# EAGLE board working (EAGLE 6.6.0)
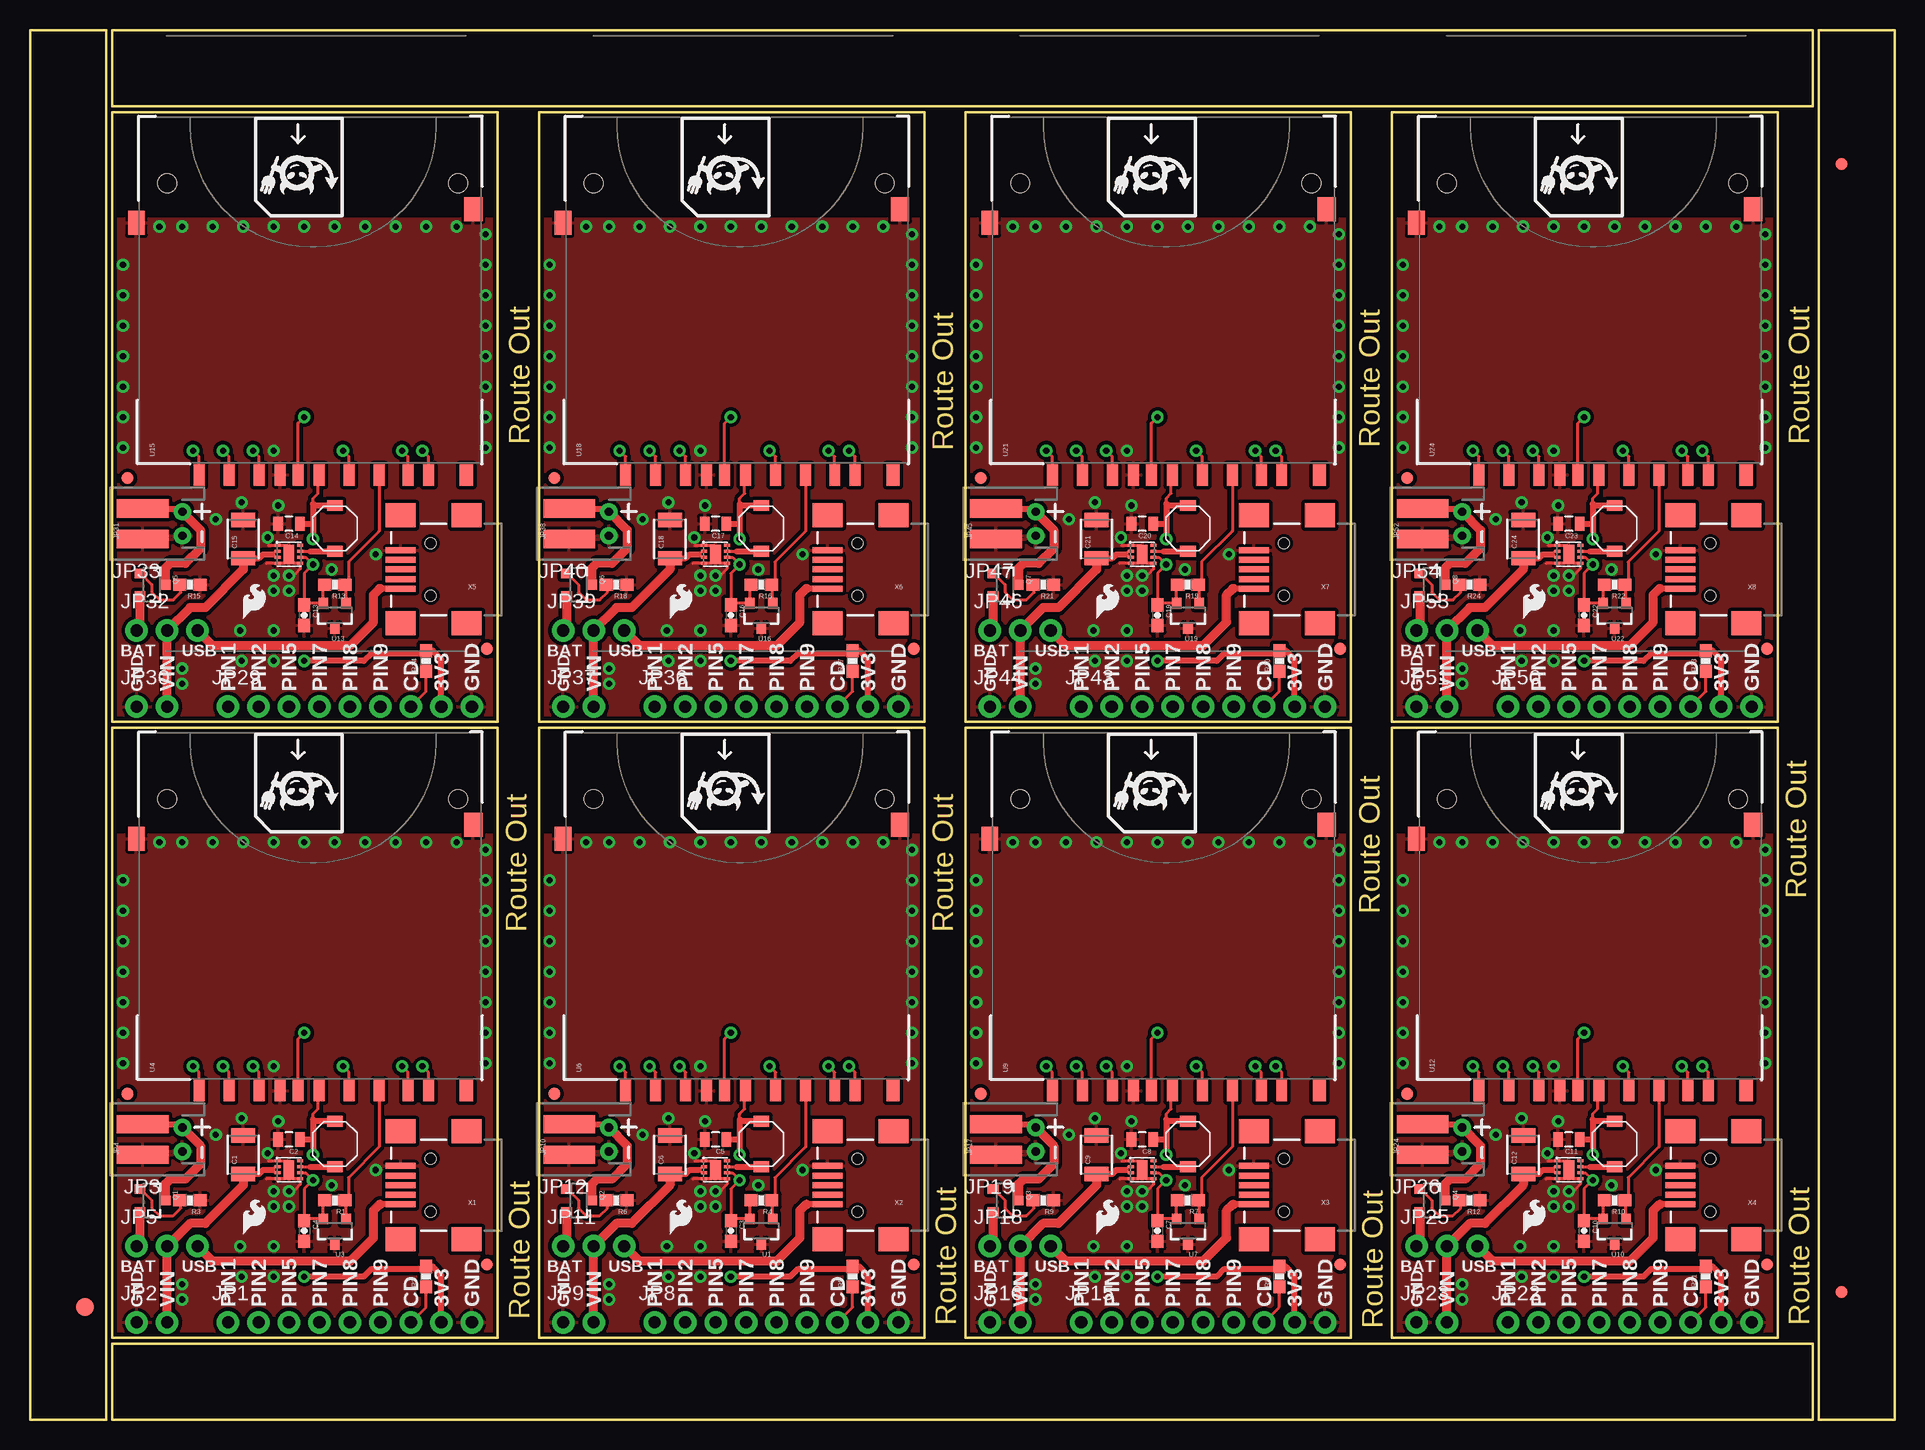
[diagram p0: board, top side]
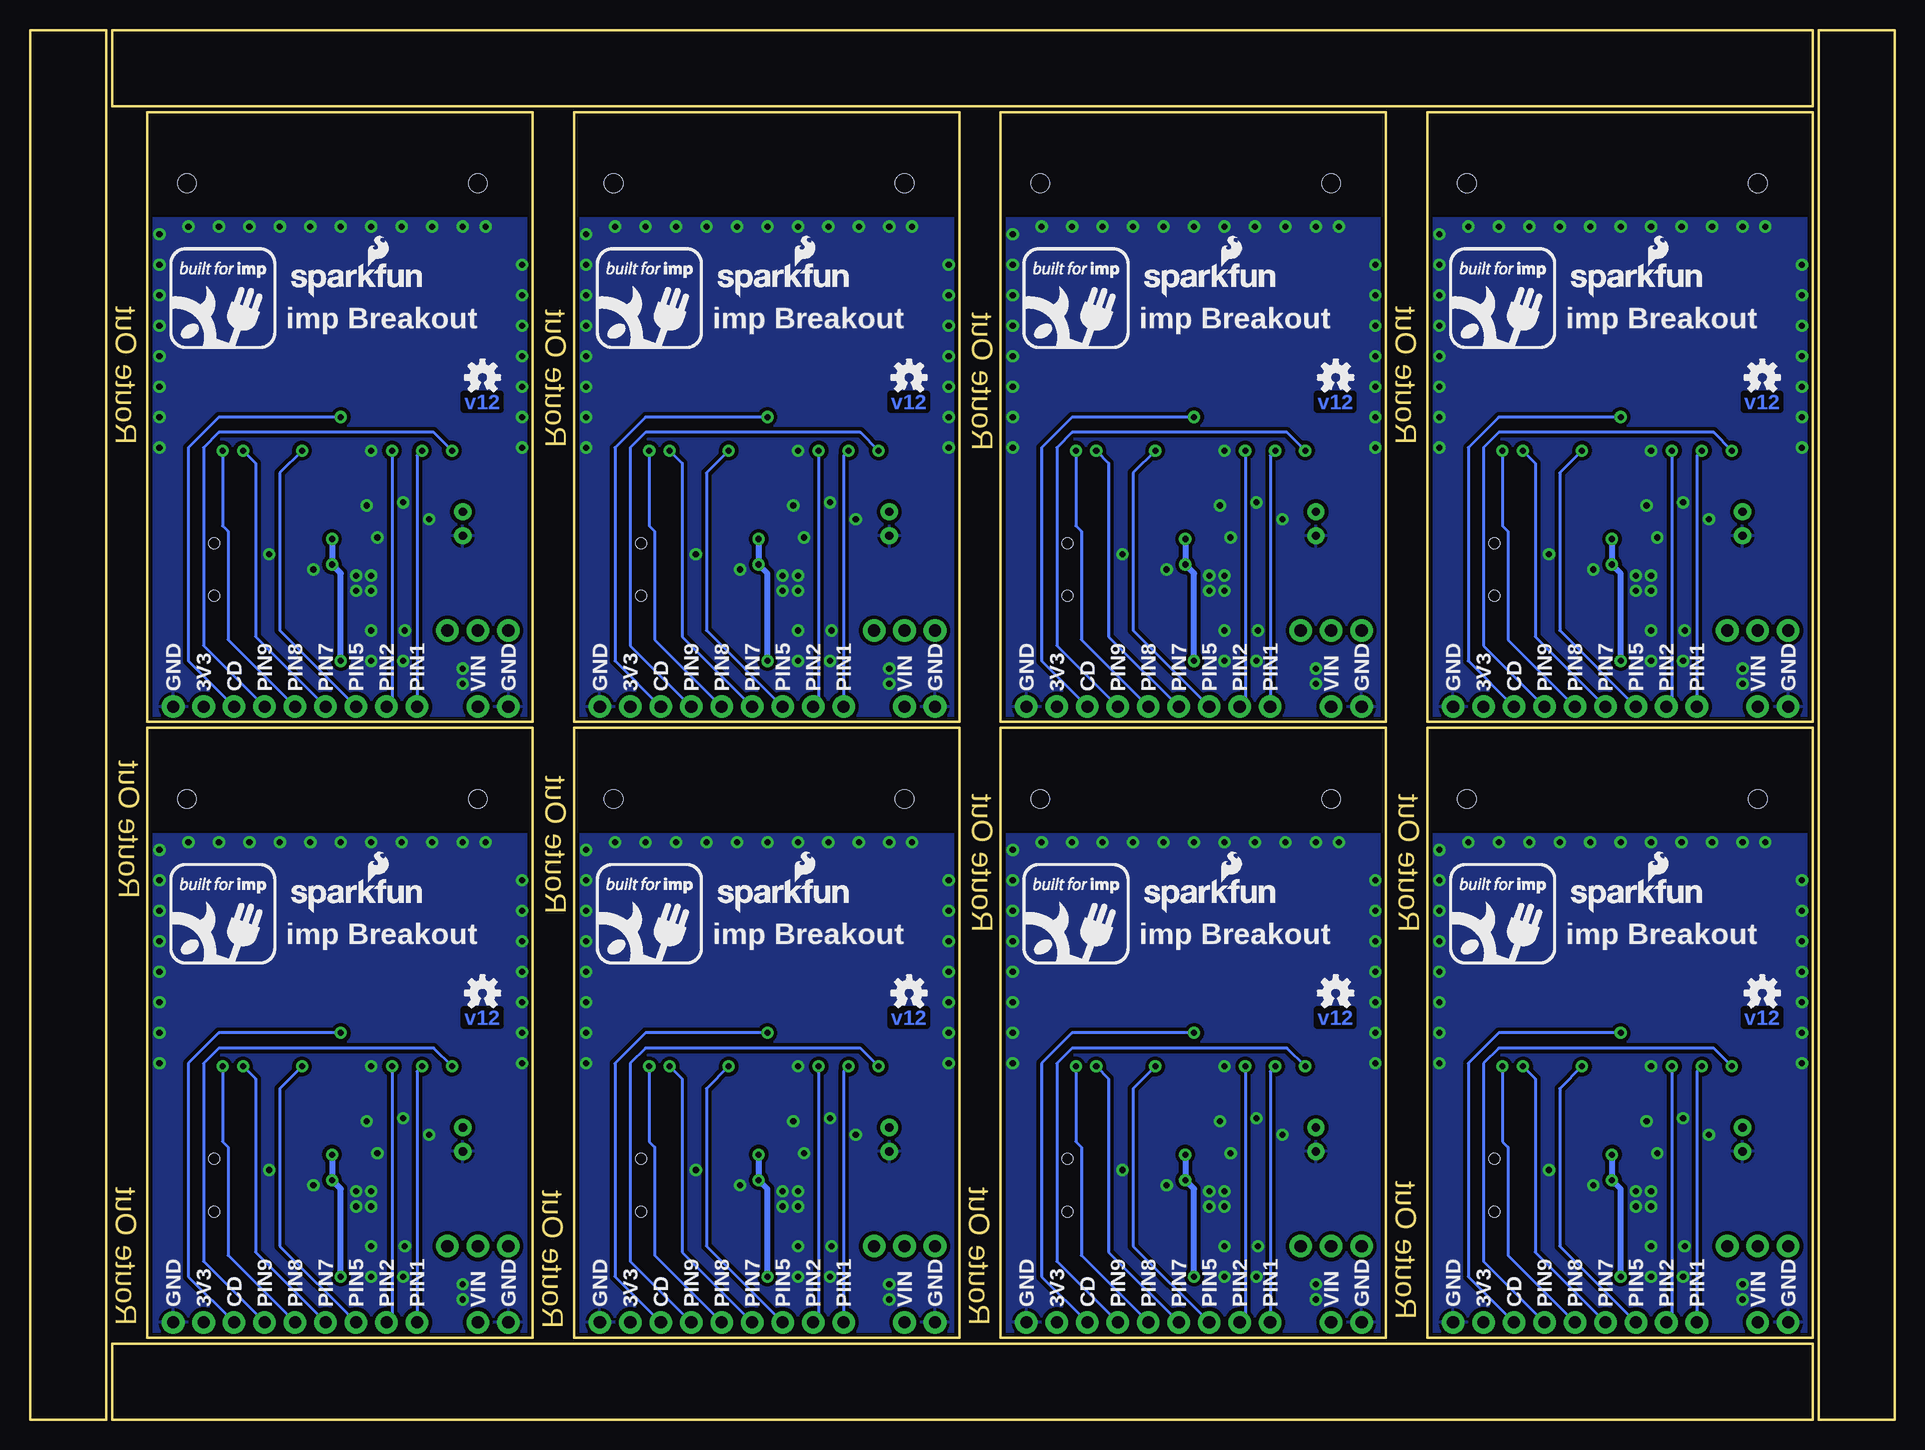
[diagram p1: board, bottom side, seen from below]

Size 155.45 x 115.82 mm. Coordinates in mm from the lower left corner, seen from the top.
Outline: 6.86,6.86 6.86,57.66 38.99,57.66 38.99,6.86 6.86,6.86
Outline: 42.42,6.86 42.42,57.66 74.55,57.66 74.55,6.86 42.42,6.86
Outline: 77.98,6.86 77.98,57.66 110.11,57.66 110.11,6.86 77.98,6.86
Outline: 113.54,6.86 113.54,57.66 145.67,57.66 145.67,6.86 113.54,6.86
Outline: 6.86,58.17 6.86,108.97 38.99,108.97 38.99,58.17 6.86,58.17
Outline: 42.42,58.17 42.42,108.97 74.55,108.97 74.55,58.17 42.42,58.17
Outline: 77.98,58.17 77.98,108.97 110.11,108.97 110.11,58.17 77.98,58.17
Outline: 113.54,58.17 113.54,108.97 145.67,108.97 145.67,58.17 113.54,58.17
Outline: 6.35,0 6.35,115.82 0,115.82 0,0 6.35,0
Outline: 6.86,0 148.59,0 148.59,6.35 6.86,6.35 6.86,0
Outline: 6.86,109.47 148.59,109.47 148.59,115.82 6.86,115.82 6.86,109.47
Outline: 155.45,0 155.45,115.82 149.1,115.82 149.1,0 155.45,0
Copper layers (1*16): Top 0.035mm / dielectric 1.5mm / Bottom 0.035mm
Design rules "SparkFun-2-layer": minimum track width 7mil, minimum drill 15mil, track to track 8mil, track to pad 8mil, pad to pad 8mil, via to via 8mil, smd to smd 8mil, copper to edge 8mil, drill to drill 8mil, minimum pad ring 12mil, minimum via ring 10mil, stop-mask expansion 4mil, vias tented up to drill 20mil, thermal gap 10mil

## Footprints (pad centres in the part's own frame; a part is rotated, then mirrored left to right if it is on the bottom)
1210 = smd 1.2 x 2: 1 -1.6,0; 2 1.6,0
0805 = smd 0.8 x 1.2: 1 -0.9,0; 2 0.9,0
0603-CAP = smd 1.1 x 1: 1 -0.85,0; 2 0.85,0
FIDUCIAL-1.5X3 = smd 1.5 x 1.5: 1 0,0
FIDUCIAL-1X2 = smd 1 x 1: 1 0,0
1X09_NO_SILK = drill 1.016 pad 1.88: 1 0,0; 2 2.54,0; 3 5.08,0; 4 7.62,0; 5 10.16,0; 6 12.7,0; 7 15.24,0; 8 17.78,0; 9 20.32,0
1X02_NO_SILK = drill 1.016 pad 1.88: 1 0,0; 2 2.54,0
1X02_SMD = smd 4.318 x 1.524: 1 0,1.27; 2 0,-1.27
JST-2-PTH-NS = drill 0.7 pad 1.448: 1 -1,0; 2 1,0
1X03_NO_SILK = drill 1.016 pad 1.88: 1 0,0; 2 2.54,0; 3 5.08,0
VLF4012A = smd 0.9 x 1.3: P$1 -1.9,0; P$2 1.9,0
SOT23-3 = smd 0.8 x 0.9: 1 -0.95,-1; 2 0.95,-1; 3 0,1.1
0603-RES = smd 1.1 x 1: 1 -0.85,0; 2 0.85,0
WSON-8-PAD = smd 0.25 x 0.5: 1 -0.75,-0.95; 2 -0.25,-0.95; 3 0.25,-0.95; 4 0.75,-0.95; 5 0.75,0.95; 6 0.25,0.95; 7 -0.25,0.95; 8 -0.75,0.95 | smd 1.6 x 0.9: PAD 0,0
SD_1:1 = smd 1.8 x 0.9: 1 -1,6.77; 2 -1,4.27; 3 -1,2.52; 4 -1,-0.73; 5 -1,-3.23; 6 -1,-5.73; 7 -1,-8.15; 8 -1,-9.85; 9 -1,9.27; CD -1,1.02 | smd 2 x 1.4: SH@1 20,14.496 | smd 2 x 1.527: SH@2 21.15,-13.589 | smd 1.8 x 1.1: WP -1,-13 | hole 1.55: 23.3,11.94; 23.3,-12.32
USB-MINIB = smd 2.5 x 0.5: D+ 2.5,0; D- 2.5,0.8; GND 2.5,-1.6; ID 2.5,-0.8; VBUS 2.5,1.6 | smd 2.5 x 2: MTN1 -3,4.5; MTN2 2.5,4.5; MTN3 -3,-4.5; MTN4 2.5,-4.5 | hole 0.9: 0,2.2; 0,-2.2

## Placement (x,y rotation side)
C1  10uF  [1210]  17.78,22.1 90 top
C2  22uF  [0805]  21.59,23.37 180 top
C3  0.1uF  [0603-CAP]  58.42,15.75 270 top
C4  0.1uF  [0603-CAP]  22.86,15.75 270 top
C5  22uF  [0805]  57.15,23.37 180 top
C6  10uF  [1210]  53.34,22.1 90 top
C7  0.1uF  [0603-CAP]  93.98,15.75 270 top
C8  22uF  [0805]  92.71,23.37 180 top
C9  10uF  [1210]  88.9,22.1 90 top
C10  0.1uF  [0603-CAP]  129.54,15.75 270 top
C11  22uF  [0805]  128.27,23.37 180 top
C12  10uF  [1210]  124.46,22.1 90 top
C13  0.1uF  [0603-CAP]  22.86,67.06 270 top
C14  22uF  [0805]  21.59,74.68 180 top
C15  10uF  [1210]  17.78,73.41 90 top
C16  0.1uF  [0603-CAP]  58.42,67.06 270 top
C17  22uF  [0805]  57.15,74.68 180 top
C18  10uF  [1210]  53.34,73.41 90 top
C19  0.1uF  [0603-CAP]  93.98,67.06 270 top
C20  22uF  [0805]  92.71,74.68 180 top
C21  10uF  [1210]  88.9,73.41 90 top
C22  0.1uF  [0603-CAP]  129.54,67.06 270 top
C23  22uF  [0805]  128.27,74.68 180 top
C24  10uF  [1210]  124.46,73.41 90 top
E$1  [FIDUCIAL-1.5X3]  4.57,9.4 0 top
E$5  [FIDUCIAL-1X2]  151,10.67 0 top
E$6  [FIDUCIAL-1X2]  151,104.65 180 top
FID1  FIDUCIAL1X2  [FIDUCIAL-1X2]  8.13,27.18 0 top
FID2  FIDUCIAL1X2  [FIDUCIAL-1X2]  38.1,12.95 0 top
FID3  FIDUCIAL1X2  [FIDUCIAL-1X2]  43.69,27.18 0 top
FID4  FIDUCIAL1X2  [FIDUCIAL-1X2]  73.66,12.95 0 top
FID5  FIDUCIAL1X2  [FIDUCIAL-1X2]  79.25,27.18 0 top
FID6  FIDUCIAL1X2  [FIDUCIAL-1X2]  109.22,12.95 0 top
FID7  FIDUCIAL1X2  [FIDUCIAL-1X2]  114.81,27.18 0 top
FID8  FIDUCIAL1X2  [FIDUCIAL-1X2]  144.78,12.95 0 top
FID9  FIDUCIAL1X2  [FIDUCIAL-1X2]  8.13,78.49 0 top
FID10  FIDUCIAL1X2  [FIDUCIAL-1X2]  38.1,64.26 0 top
FID11  FIDUCIAL1X2  [FIDUCIAL-1X2]  43.69,78.49 0 top
FID12  FIDUCIAL1X2  [FIDUCIAL-1X2]  73.66,64.26 0 top
FID13  FIDUCIAL1X2  [FIDUCIAL-1X2]  79.25,78.49 0 top
FID14  FIDUCIAL1X2  [FIDUCIAL-1X2]  109.22,64.26 0 top
FID15  FIDUCIAL1X2  [FIDUCIAL-1X2]  114.81,78.49 0 top
FID16  FIDUCIAL1X2  [FIDUCIAL-1X2]  144.78,64.26 0 top
JP1  M09NO_SILK  [1X09_NO_SILK]  16.51,8.13 0 top
JP2  [1X02_NO_SILK]  8.89,8.13 0 top
JP3  [1X02_SMD]  9.4,23.37 180 top
JP4  [JST-2-PTH-NS]  12.7,23.37 90 top
JP5  [1X03_NO_SILK]  8.89,14.48 0 top
JP6  LOGO-SFESK  [SFE-LOGO-FLAME]  17.78,15.49 0 top
JP7  SFE_LOGO_NAME_FLAME.1_INCH  [SFE_LOGO_NAME_FLAME_.1]  27.43,42.16 0 bottom
JP8  M09NO_SILK  [1X09_NO_SILK]  52.07,8.13 0 top
JP9  [1X02_NO_SILK]  44.45,8.13 0 top
JP10  [JST-2-PTH-NS]  48.26,23.37 90 top
JP11  [1X03_NO_SILK]  44.45,14.48 0 top
JP12  [1X02_SMD]  44.96,23.37 180 top
JP13  LOGO-SFESK  [SFE-LOGO-FLAME]  53.34,15.49 0 top
JP14  SFE_LOGO_NAME_FLAME.1_INCH  [SFE_LOGO_NAME_FLAME_.1]  62.99,42.16 0 bottom
JP15  M09NO_SILK  [1X09_NO_SILK]  87.63,8.13 0 top
JP16  [1X02_NO_SILK]  80.01,8.13 0 top
JP17  [JST-2-PTH-NS]  83.82,23.37 90 top
JP18  [1X03_NO_SILK]  80.01,14.48 0 top
JP19  [1X02_SMD]  80.52,23.37 180 top
JP20  LOGO-SFESK  [SFE-LOGO-FLAME]  88.9,15.49 0 top
JP21  SFE_LOGO_NAME_FLAME.1_INCH  [SFE_LOGO_NAME_FLAME_.1]  98.55,42.16 0 bottom
JP22  M09NO_SILK  [1X09_NO_SILK]  123.19,8.13 0 top
JP23  [1X02_NO_SILK]  115.57,8.13 0 top
JP24  [JST-2-PTH-NS]  119.38,23.37 90 top
JP25  [1X03_NO_SILK]  115.57,14.48 0 top
JP26  [1X02_SMD]  116.08,23.37 180 top
JP27  LOGO-SFESK  [SFE-LOGO-FLAME]  124.46,15.49 0 top
JP28  SFE_LOGO_NAME_FLAME.1_INCH  [SFE_LOGO_NAME_FLAME_.1]  134.11,42.16 0 bottom
JP29  M09NO_SILK  [1X09_NO_SILK]  16.51,59.44 0 top
JP30  [1X02_NO_SILK]  8.89,59.44 0 top
JP31  [JST-2-PTH-NS]  12.7,74.68 90 top
JP32  [1X03_NO_SILK]  8.89,65.79 0 top
JP33  [1X02_SMD]  9.4,74.68 180 top
JP34  LOGO-SFESK  [SFE-LOGO-FLAME]  17.78,66.8 0 top
JP35  SFE_LOGO_NAME_FLAME.1_INCH  [SFE_LOGO_NAME_FLAME_.1]  27.43,93.47 0 bottom
JP36  M09NO_SILK  [1X09_NO_SILK]  52.07,59.44 0 top
JP37  [1X02_NO_SILK]  44.45,59.44 0 top
JP38  [JST-2-PTH-NS]  48.26,74.68 90 top
JP39  [1X03_NO_SILK]  44.45,65.79 0 top
JP40  [1X02_SMD]  44.96,74.68 180 top
JP41  LOGO-SFESK  [SFE-LOGO-FLAME]  53.34,66.8 0 top
JP42  SFE_LOGO_NAME_FLAME.1_INCH  [SFE_LOGO_NAME_FLAME_.1]  62.99,93.47 0 bottom
JP43  M09NO_SILK  [1X09_NO_SILK]  87.63,59.44 0 top
JP44  [1X02_NO_SILK]  80.01,59.44 0 top
JP45  [JST-2-PTH-NS]  83.82,74.68 90 top
JP46  [1X03_NO_SILK]  80.01,65.79 0 top
JP47  [1X02_SMD]  80.52,74.68 180 top
JP48  LOGO-SFESK  [SFE-LOGO-FLAME]  88.9,66.8 0 top
JP49  SFE_LOGO_NAME_FLAME.1_INCH  [SFE_LOGO_NAME_FLAME_.1]  98.55,93.47 0 bottom
JP50  M09NO_SILK  [1X09_NO_SILK]  123.19,59.44 0 top
JP51  [1X02_NO_SILK]  115.57,59.44 0 top
JP52  [JST-2-PTH-NS]  119.38,74.68 90 top
JP53  [1X03_NO_SILK]  115.57,65.79 0 top
JP54  [1X02_SMD]  116.08,74.68 180 top
JP55  LOGO-SFESK  [SFE-LOGO-FLAME]  124.46,66.8 0 top
JP56  SFE_LOGO_NAME_FLAME.1_INCH  [SFE_LOGO_NAME_FLAME_.1]  134.11,93.47 0 bottom
L1  2.2uH  [VLF4012A]  25.4,22.99 90 top
L2  2.2uH  [VLF4012A]  60.96,22.99 90 top
L3  2.2uH  [VLF4012A]  96.52,22.99 90 top
L4  2.2uH  [VLF4012A]  132.08,22.99 90 top
L5  2.2uH  [VLF4012A]  25.4,74.3 90 top
L6  2.2uH  [VLF4012A]  60.96,74.3 90 top
L7  2.2uH  [VLF4012A]  96.52,74.3 90 top
L8  2.2uH  [VLF4012A]  132.08,74.3 90 top
Q1  DMG2307L-7  [SOT23-3]  10.16,18.29 270 top
Q2  DMG2307L-7  [SOT23-3]  45.72,18.29 270 top
Q3  DMG2307L-7  [SOT23-3]  81.28,18.29 270 top
Q4  DMG2307L-7  [SOT23-3]  116.84,18.29 270 top
Q5  DMG2307L-7  [SOT23-3]  10.16,69.6 270 top
Q6  DMG2307L-7  [SOT23-3]  45.72,69.6 270 top
Q7  DMG2307L-7  [SOT23-3]  81.28,69.6 270 top
Q8  DMG2307L-7  [SOT23-3]  116.84,69.6 270 top
R1  100k  [0603-RES]  25.4,18.29 180 top
R2  dnp  [0603-RES]  33.02,11.94 90 top
R3  100k  [0603-RES]  13.34,18.29 180 top
R4  100k  [0603-RES]  60.96,18.29 180 top
R5  dnp  [0603-RES]  68.58,11.94 90 top
R6  100k  [0603-RES]  48.9,18.29 180 top
R7  100k  [0603-RES]  96.52,18.29 180 top
R8  dnp  [0603-RES]  104.14,11.94 90 top
R9  100k  [0603-RES]  84.45,18.29 180 top
R10  100k  [0603-RES]  132.08,18.29 180 top
R11  dnp  [0603-RES]  139.7,11.94 90 top
R12  100k  [0603-RES]  120.02,18.29 180 top
R13  100k  [0603-RES]  25.4,69.6 180 top
R14  dnp  [0603-RES]  33.02,63.25 90 top
R15  100k  [0603-RES]  13.34,69.6 180 top
R16  100k  [0603-RES]  60.96,69.6 180 top
R17  dnp  [0603-RES]  68.58,63.25 90 top
R18  100k  [0603-RES]  48.9,69.6 180 top
R19  100k  [0603-RES]  96.52,69.6 180 top
R20  dnp  [0603-RES]  104.14,63.25 90 top
R21  100k  [0603-RES]  84.45,69.6 180 top
R22  100k  [0603-RES]  132.08,69.6 180 top
R23  dnp  [0603-RES]  139.7,63.25 90 top
R24  100k  [0603-RES]  120.02,69.6 180 top
U1  ATSHA204-TSU  [SOT23-3]  60.96,15.75 180 top
U2  TPS62172  [WSON-8-PAD]  21.59,20.83 270 top
U3  ATSHA204-TSU  [SOT23-3]  25.4,15.75 180 top
U4  ELECTRIC_IMP  [SD_1:1]  23.37,28.45 90 top
U5  TPS62172  [WSON-8-PAD]  57.15,20.83 270 top
U6  ELECTRIC_IMP  [SD_1:1]  58.93,28.45 90 top
U7  ATSHA204-TSU  [SOT23-3]  96.52,15.75 180 top
U8  TPS62172  [WSON-8-PAD]  92.71,20.83 270 top
U9  ELECTRIC_IMP  [SD_1:1]  94.49,28.45 90 top
U10  ATSHA204-TSU  [SOT23-3]  132.08,15.75 180 top
U11  TPS62172  [WSON-8-PAD]  128.27,20.83 270 top
U12  ELECTRIC_IMP  [SD_1:1]  130.05,28.45 90 top
U13  ATSHA204-TSU  [SOT23-3]  25.4,67.06 180 top
U14  TPS62172  [WSON-8-PAD]  21.59,72.14 270 top
U15  ELECTRIC_IMP  [SD_1:1]  23.37,79.76 90 top
U16  ATSHA204-TSU  [SOT23-3]  60.96,67.06 180 top
U17  TPS62172  [WSON-8-PAD]  57.15,72.14 270 top
U18  ELECTRIC_IMP  [SD_1:1]  58.93,79.76 90 top
U19  ATSHA204-TSU  [SOT23-3]  96.52,67.06 180 top
U20  TPS62172  [WSON-8-PAD]  92.71,72.14 270 top
U21  ELECTRIC_IMP  [SD_1:1]  94.49,79.76 90 top
U22  ATSHA204-TSU  [SOT23-3]  132.08,67.06 180 top
U23  TPS62172  [WSON-8-PAD]  128.27,72.14 270 top
U24  ELECTRIC_IMP  [SD_1:1]  130.05,79.76 90 top
U$1  OSHW-LOGOS  [OSHW-LOGO-S]  46.61,35.56 0 bottom
U$2  OSHW-LOGOS  [OSHW-LOGO-S]  82.17,35.56 0 bottom
U$3  OSHW-LOGOS  [OSHW-LOGO-S]  117.73,35.56 0 bottom
U$4  OSHW-LOGOS  [OSHW-LOGO-S]  11.05,86.87 0 bottom
U$5  OSHW-LOGOS  [OSHW-LOGO-S]  11.05,35.56 0 bottom
U$6  OSHW-LOGOS  [OSHW-LOGO-S]  46.61,86.87 0 bottom
U$7  OSHW-LOGOS  [OSHW-LOGO-S]  82.17,86.87 0 bottom
U$8  OSHW-LOGOS  [OSHW-LOGO-S]  117.73,86.87 0 bottom
X1  USBSMD  [USB-MINIB]  33.4,19.56 180 top
X2  USBSMD  [USB-MINIB]  68.96,19.56 180 top
X3  USBSMD  [USB-MINIB]  104.52,19.56 180 top
X4  USBSMD  [USB-MINIB]  140.08,19.56 180 top
X5  USBSMD  [USB-MINIB]  33.4,70.87 180 top
X6  USBSMD  [USB-MINIB]  68.96,70.87 180 top
X7  USBSMD  [USB-MINIB]  104.52,70.87 180 top
X8  USBSMD  [USB-MINIB]  140.08,70.87 180 top

## Library data of the parts
C1 C6 C9 C12 C15 C18 C21 C24 = SparkFun-Capacitors; PROD_ID: CAP-09824
C2 C5 C8 C11 C14 C17 C20 C23 = SparkFun-Capacitors; PROD_ID: CAP-08402
C3 C4 C7 C10 C13 C16 C19 C22 = SparkFun-Capacitors; PROD_ID: CAP-00810
E$1 = SparkFun-Retired
E$5 E$6 FID1-FID16 JP6 JP7 JP13 JP14 JP20 JP21 JP27 JP28 JP34 JP35 JP41 JP42 JP48 JP49 JP55 JP56 U$1-U$8 = SparkFun-Aesthetics
JP1-JP5 JP8-JP12 JP15-JP19 JP22-JP26 JP29-JP33 JP36-JP40 JP43-JP47 JP50-JP54 X1-X8 = SparkFun-Connectors
L1-L8 = SparkFun-Passives
Q1-Q8 = SparkFun-DiscreteSemi
R1 R3 R4 R6 R7 R9 R10 R12 R13 R15 R16 R18 R19 R21 R22 R24 = SparkFun-Resistors; PROD_ID: RES-07828
R2 R5 R8 R11 R14 R17 R20 R23 = SparkFun-Resistors
U1 U3 U7 U10 U13 U16 U19 U22 = SparkFun-DigitalIC
U2 U5 U8 U11 U14 U17 U20 U23 = SparkFun-PowerIC
U4 U6 U9 U12 U15 U18 U21 U24 = SparkFun-RF; PROD_ID: CONN-11976

## Nets
3.3V: C2.1 C4.1 JP1.8 L1.P$2 R1.2 R2.2 U2.6 U3.2 U4.4
3.3V1: C3.1 C5.1 JP8.8 L2.P$2 R4.2 R5.2 U1.2 U5.6 U6.4
3.3V2: C7.1 C8.1 JP15.8 L3.P$2 R7.2 R8.2 U7.2 U8.6 U9.4
3.3V3: C10.1 C11.1 JP22.8 L4.P$2 R10.2 R11.2 U10.2 U11.6 U12.4
3.3V4: C13.1 C14.1 JP29.8 L5.P$2 R13.2 R14.2 U13.2 U14.6 U15.4
3.3V5: C16.1 C17.1 JP36.8 L6.P$2 R16.2 R17.2 U16.2 U17.6 U18.4
3.3V6: C19.1 C20.1 JP43.8 L7.P$2 R19.2 R20.2 U19.2 U20.6 U21.4
3.3V7: C22.1 C23.1 JP50.8 L8.P$2 R22.2 R23.2 U22.2 U23.6 U24.4
CD: JP1.7 R2.1 U4.CD
CD1: JP8.7 R5.1 U6.CD
CD2: JP15.7 R8.1 U9.CD
CD3: JP22.7 R11.1 U12.CD
CD4: JP29.7 R14.1 U15.CD
CD5: JP36.7 R17.1 U18.CD
CD6: JP43.7 R20.1 U21.CD
CD7: JP50.7 R23.1 U24.CD
GND: C1.2 C2.2 C4.2 JP1.9 JP2.1 JP3.1 JP4.1 R3.1 U2.1 U2.4 U2.5 U2.PAD U3.3 U4.3 U4.SH@1 U4.SH@2 X1.GND
GND1: C3.2 C5.2 C6.2 JP8.9 JP9.1 JP10.1 JP12.1 R6.1 U1.3 U5.1 U5.4 U5.5 U5.PAD U6.3 U6.SH@1 U6.SH@2 X2.GND
GND2: C7.2 C8.2 C9.2 JP15.9 JP16.1 JP17.1 JP19.1 R9.1 U7.3 U8.1 U8.4 U8.5 U8.PAD U9.3 U9.SH@1 U9.SH@2 X3.GND
GND3: C10.2 C11.2 C12.2 JP22.9 JP23.1 JP24.1 JP26.1 R12.1 U10.3 U11.1 U11.4 U11.5 U11.PAD U12.3 U12.SH@1 U12.SH@2 X4.GND
GND4: C13.2 C14.2 C15.2 JP29.9 JP30.1 JP31.1 JP33.1 R15.1 U13.3 U14.1 U14.4 U14.5 U14.PAD U15.3 U15.SH@1 U15.SH@2 X5.GND
GND5: C16.2 C17.2 C18.2 JP36.9 JP37.1 JP38.1 JP40.1 R18.1 U16.3 U17.1 U17.4 U17.5 U17.PAD U18.3 U18.SH@1 U18.SH@2 X6.GND
GND6: C19.2 C20.2 C21.2 JP43.9 JP44.1 JP45.1 JP47.1 R21.1 U19.3 U20.1 U20.4 U20.5 U20.PAD U21.3 U21.SH@1 U21.SH@2 X7.GND
GND7: C22.2 C23.2 C24.2 JP50.9 JP51.1 JP52.1 JP54.1 R24.1 U22.3 U23.1 U23.4 U23.5 U23.PAD U24.3 U24.SH@1 U24.SH@2 X8.GND
ID: R1.1 U3.1 U4.6
ID1: R4.1 U1.1 U6.6
ID2: R7.1 U7.1 U9.6
ID3: R10.1 U10.1 U12.6
ID4: R13.1 U13.1 U15.6
ID5: R16.1 U16.1 U18.6
ID6: R19.1 U19.1 U21.6
ID7: R22.1 U22.1 U24.6
N$1: L1.P$1 U2.7
N$2: Q1.1 R3.2
N$3: L2.P$1 U5.7
N$4: JP11.1 Q2.2
N$5: Q2.1 R6.2
N$6: JP5.1 Q1.2
N$7: L3.P$1 U8.7
N$8: JP18.1 Q3.2
N$9: Q3.1 R9.2
N$10: L4.P$1 U11.7
N$11: JP25.1 Q4.2
N$12: Q4.1 R12.2
N$13: L5.P$1 U14.7
N$14: JP32.1 Q5.2
N$15: Q5.1 R15.2
N$16: L6.P$1 U17.7
N$17: JP39.1 Q6.2
N$18: Q6.1 R18.2
N$19: L7.P$1 U20.7
N$20: JP46.1 Q7.2
N$21: Q7.1 R21.2
N$22: L8.P$1 U23.7
N$23: JP53.1 Q8.2
N$24: Q8.1 R24.2
PIN1: JP1.1 U4.1
PIN2: JP1.2 U4.2
PIN3: JP8.1 U6.1
PIN4: JP8.2 U6.2
PIN5: JP1.3 U4.5
PIN6: JP8.3 U6.5
PIN7: JP1.4 U4.7
PIN8: JP1.5 U4.8
PIN9: JP1.6 U4.9
PIN10: JP8.4 U6.7
PIN11: JP8.5 U6.8
PIN12: JP8.6 U6.9
PIN13: JP15.1 U9.1
PIN14: JP15.2 U9.2
PIN15: JP15.3 U9.5
PIN16: JP15.4 U9.7
PIN17: JP15.5 U9.8
PIN18: JP15.6 U9.9
PIN19: JP22.1 U12.1
PIN20: JP22.2 U12.2
PIN21: JP22.3 U12.5
PIN22: JP22.4 U12.7
PIN23: JP22.5 U12.8
PIN24: JP22.6 U12.9
PIN25: JP29.1 U15.1
PIN26: JP29.2 U15.2
PIN27: JP29.3 U15.5
PIN28: JP29.4 U15.7
PIN29: JP29.5 U15.8
PIN30: JP29.6 U15.9
PIN31: JP36.1 U18.1
PIN32: JP36.2 U18.2
PIN33: JP36.3 U18.5
PIN34: JP36.4 U18.7
PIN35: JP36.5 U18.8
PIN36: JP36.6 U18.9
PIN37: JP43.1 U21.1
PIN38: JP43.2 U21.2
PIN39: JP43.3 U21.5
PIN40: JP43.4 U21.7
PIN41: JP43.5 U21.8
PIN42: JP43.6 U21.9
PIN43: JP50.1 U24.1
PIN44: JP50.2 U24.2
PIN45: JP50.3 U24.5
PIN46: JP50.4 U24.7
PIN47: JP50.5 U24.8
PIN48: JP50.6 U24.9
VBAT: JP3.2 JP4.2 Q1.3
VBAT1: JP10.2 JP12.2 Q2.3
VBAT2: JP17.2 JP19.2 Q3.3
VBAT3: JP24.2 JP26.2 Q4.3
VBAT4: JP31.2 JP33.2 Q5.3
VBAT5: JP38.2 JP40.2 Q6.3
VBAT6: JP45.2 JP47.2 Q7.3
VBAT7: JP52.2 JP54.2 Q8.3
VIN: C1.1 JP2.2 JP5.2 U2.2 U2.3
VIN1: C6.1 JP9.2 JP11.2 U5.2 U5.3
VIN2: C9.1 JP16.2 JP18.2 U8.2 U8.3
VIN3: C12.1 JP23.2 JP25.2 U11.2 U11.3
VIN4: C15.1 JP30.2 JP32.2 U14.2 U14.3
VIN5: C18.1 JP37.2 JP39.2 U17.2 U17.3
VIN6: C21.1 JP44.2 JP46.2 U20.2 U20.3
VIN7: C24.1 JP51.2 JP53.2 U23.2 U23.3
VUSB: JP5.3 X1.VBUS
VUSB1: JP11.3 X2.VBUS
VUSB2: JP18.3 X3.VBUS
VUSB3: JP25.3 X4.VBUS
VUSB4: JP32.3 X5.VBUS
VUSB5: JP39.3 X6.VBUS
VUSB6: JP46.3 X7.VBUS
VUSB7: JP53.3 X8.VBUS
